# Altium PCB Receiver Module.PcbDoc (part 1 of 2)
Units mil, origin at the board's own origin, x right, y up, seen from the top; angles counter-clockwise.
Board outline 5921.26 x 3921.26 mil, 2 copper layers (Top Layer, Bottom Layer), stack 50 mil thick; 69 components, 74 nets, 418 pads, 116 vias.
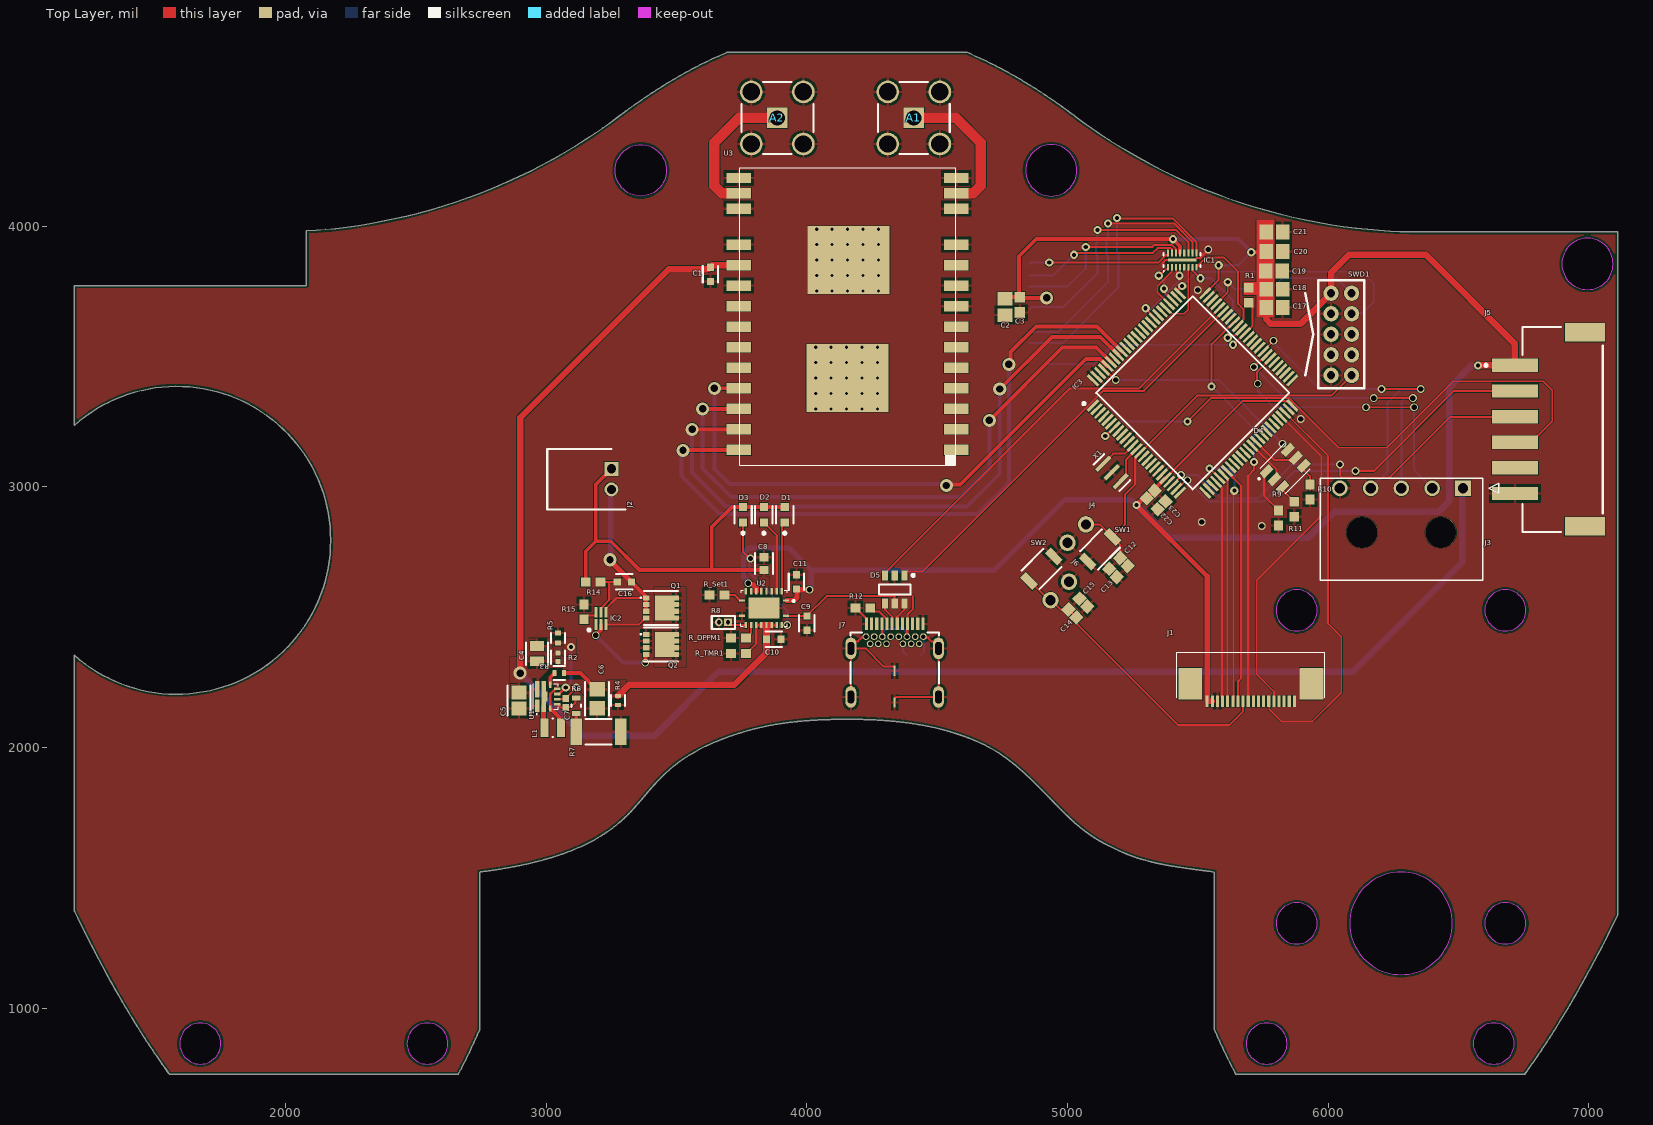
[diagram p0: Top Layer view]
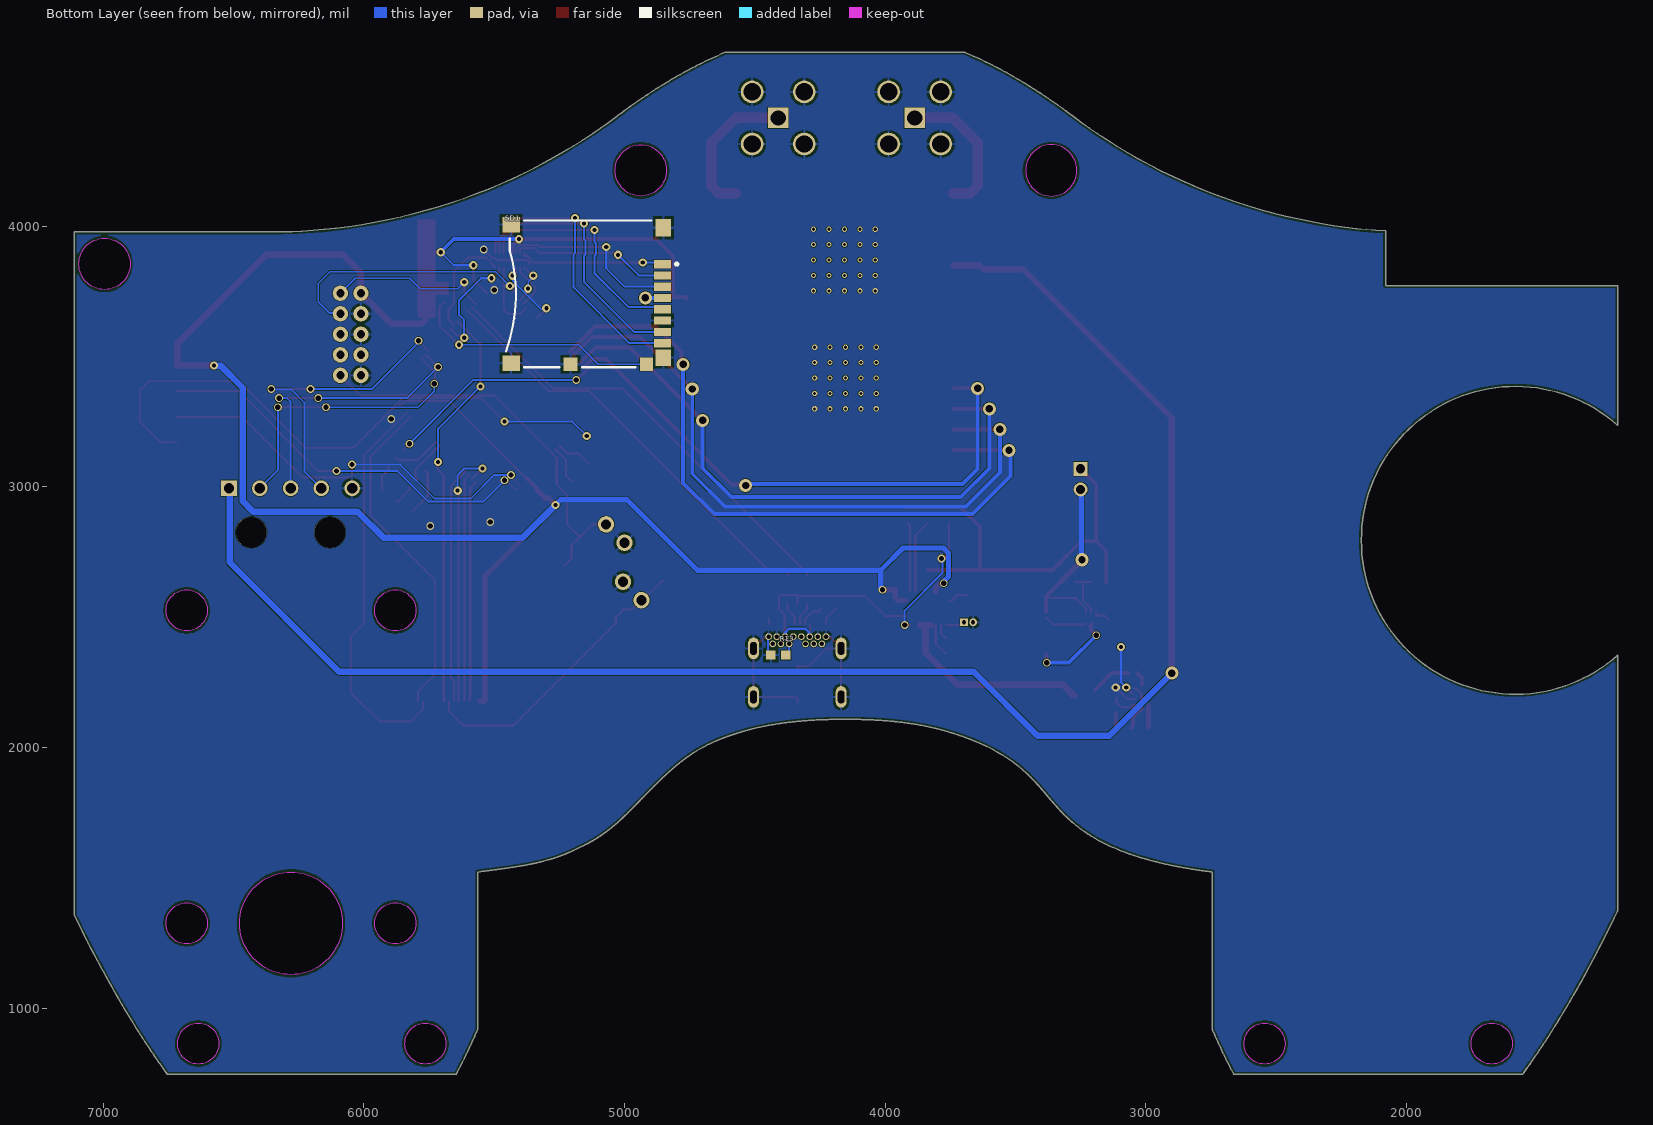
[diagram p1: Bottom Layer view, seen from below]
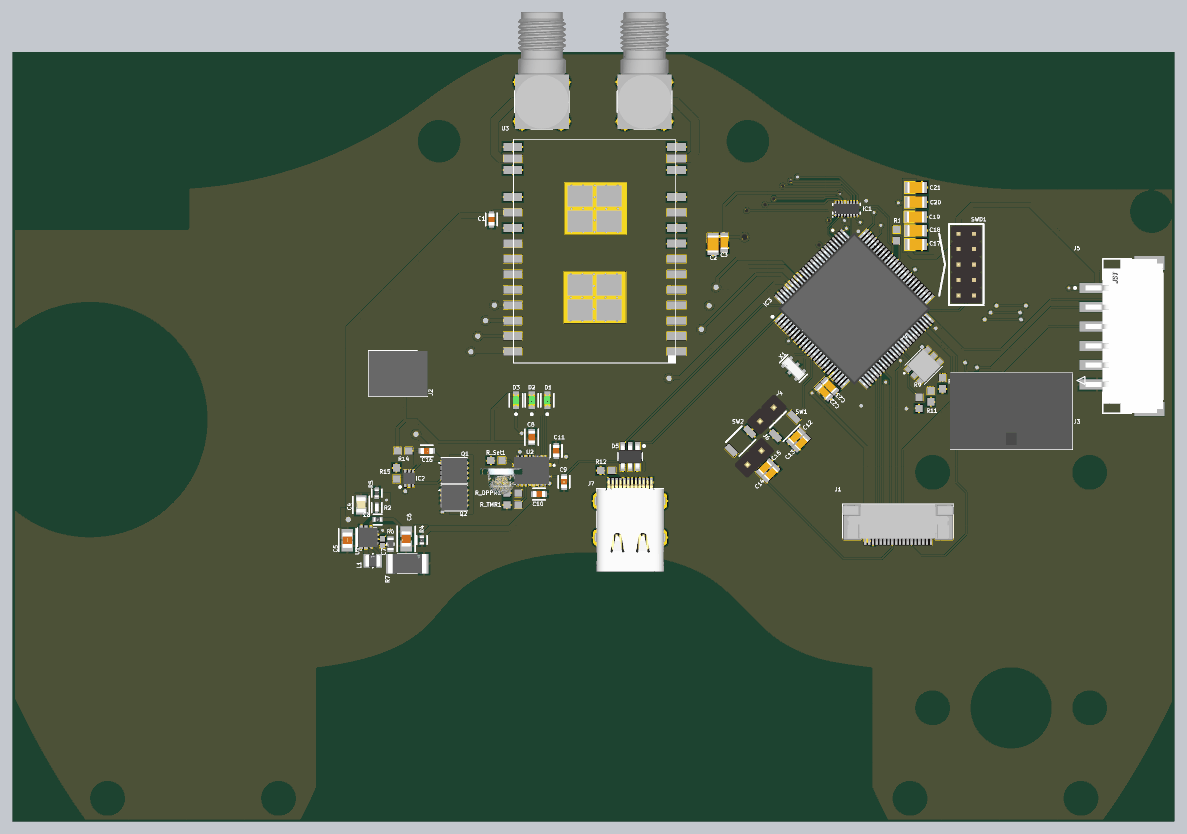
[diagram p3: 3D render of the assembled board from above, using the file's embedded part models]

## Layer stack, top to bottom
Top Solder: solder mask 1, SM-002, Dk 4
Top Layer: signal copper 1.378
Rogers 4450B: dielectric 47.2441, FR-4, Dk 3.54
Bottom Layer: signal copper 1.378
Bottom Solder: solder mask 1, SM-002, Dk 4

## Board outline
1587 vertices, not listed, extent 1189.5,745.5 7110.76,4666.76
cut-out: 6082.76,1325 ccw(c6279.61,1325) 6279.61,1128.15 ccw(c6279.61,1325) 6476.46,1325 ccw(c6279.61,1325) 6279.61,1521.85 ccw(c6279.61,1325)
cut-out: 6601.26,1325 ccw(c6680,1325) 6680,1246.26 ccw(c6680,1325) 6758.74,1325 ccw(c6680,1325) 6680,1403.74 ccw(c6680,1325)
cut-out: 6601.26,2525.79 ccw(c6680,2525.79) 6680,2447.05 ccw(c6680,2525.79) 6758.74,2525.79 ccw(c6680,2525.79) 6680,2604.53 ccw(c6680,2525.79)
cut-out: 5800.47,1325 ccw(c5879.21,1325) 5879.21,1246.26 ccw(c5879.21,1325) 5957.95,1325 ccw(c5879.21,1325) 5879.21,1403.74 ccw(c5879.21,1325)
cut-out: 5800.47,2525.79 ccw(c5879.21,2525.79) 5879.21,2447.05 ccw(c5879.21,2525.79) 5957.95,2525.79 ccw(c5879.21,2525.79) 5879.21,2604.53 ccw(c5879.21,2525.79)
cut-out: 5685.19,863.61 ccw(c5763.93,863.61) 5763.93,784.87 ccw(c5763.93,863.61) 5842.67,863.61 ccw(c5763.93,863.61) 5763.93,942.35 ccw(c5763.93,863.61)
cut-out: 6556.65,863.61 ccw(c6635.39,863.61) 6635.39,784.87 ccw(c6635.39,863.61) 6714.13,863.61 ccw(c6635.39,863.61) 6635.39,942.35 ccw(c6635.39,863.61)
cut-out: 6896.57,3855 ccw(c6995,3855) 6995,3756.57 ccw(c6995,3855) 7093.43,3855 ccw(c6995,3855) 6995,3953.43 ccw(c6995,3855)
cut-out: 4839.11,4214 ccw(c4937.53,4214) 4937.53,4115.58 ccw(c4937.53,4214) 5035.96,4214 ccw(c4937.53,4214) 4937.53,4312.43 ccw(c4937.53,4214)
cut-out: 3362.73,4115.58 cw(c3362.73,4214) 3264.31,4214 cw(c3362.73,4214) 3362.73,4312.43 cw(c3362.73,4214) 3461.16,4214 cw(c3362.73,4214)
cut-out: 2465.47,863.61 ccw(c2544.21,863.61) 2544.21,784.87 ccw(c2544.21,863.61) 2622.95,863.61 ccw(c2544.21,863.61) 2544.21,942.35 ccw(c2544.21,863.61)
cut-out: 1594.01,863.61 ccw(c1672.75,863.61) 1672.75,784.87 ccw(c1672.75,863.61) 1751.49,863.61 ccw(c1672.75,863.61) 1672.75,942.35 ccw(c1672.75,863.61)

## Design rules (kind name [scope] priority, off if disabled: settings)
BoardOutlineClearance [All] p1: gap=9.84 ignorepadtopadclearanceinfootprint=FALSE
Clearance Clearance_4 [All] p1: gap=2 ignorepadtopadclearanceinfootprint=TRUE
Clearance Clearance_3 [InNet('NetC9_1')] p2 off: gap=15.75 ignorepadtopadclearanceinfootprint=TRUE
Clearance Clearance_2 [InNet('VIN')] p3 off: gap=31.5 ignorepadtopadclearanceinfootprint=TRUE
Clearance Clearance_1 [All] p4 off: gap=10 ignorepadtopadclearanceinfootprint=TRUE
ComponentClearance [All] p1 off: gap=10 collisioncheckmode=3 verticalgap=10 showdistances=FALSE
DiffPairsRouting DiffPairsRouting_1 [All] p1: maxlimit=10 minlimit=3.5 mostfreqgap=7.87 toplayer_minwidth=3.5 toplayer_maxwidth=15 toplayer_prefwidth=5.91 bottomlayer_minwidth=3.5 bottomlayer_maxwidth=15 bottomlayer_prefwidth=5.91 maxuncoupledlength=500
DiffPairsRouting AntennaDiff [InDifferentialPair('ANT')] p2: maxlimit=10 minlimit=3.5 mostfreqgap=7.87 toplayer_minwidth=3.5 toplayer_maxwidth=15 toplayer_prefwidth=5.91 bottomlayer_minwidth=3.5 bottomlayer_maxwidth=15 bottomlayer_prefwidth=5.91 maxuncoupledlength=1
HoleSize [All] p1: absolutevalues=TRUE maxlimit=236.22 minlimit=1 maxpercent=80.000 minpercent=20.000
MatchedLengths usb [All] p1 off: tolerance=39.37 checknetsindiffpair=FALSE checkdiffpairvsdiffpair=TRUE checkxsignals=TRUE checkothers=TRUE
MinimumSolderMaskSliver [All] p1 off: minsoldermaskwidth=10
PlaneClearance [All] p1: clearance=10
PolygonConnect VIN [InNet('VIN')] p1: connectstyle=Direct reliefconductorwidth=10 reliefentries=4 polygonreliefangle="90 Angle" airgapwidth=10
PolygonConnect Connectors [HasFootprint('B06B-JWPF-SK-R')] p2: connectstyle=Direct reliefconductorwidth=10 reliefentries=4 polygonreliefangle="90 Angle" airgapwidth=10
PolygonConnect Connectors_1 [HasFootprint('B08B-JWPF-SK-R')] p3: connectstyle=Direct reliefconductorwidth=10 reliefentries=4 polygonreliefangle="90 Angle" airgapwidth=10
PolygonConnect Default [All] p4 off: connectstyle=Relief reliefconductorwidth=10 reliefentries=4 polygonreliefangle="90 Angle" airgapwidth=10
PolygonConnect vbus [InNet('NetQ1_1')] p5: connectstyle=Direct reliefconductorwidth=10 reliefentries=4 polygonreliefangle="90 Angle" airgapwidth=10
PolygonConnect vbus_1 [InNet('NetC9_1')] p6: connectstyle=Direct reliefconductorwidth=10 reliefentries=4 polygonreliefangle="90 Angle" airgapwidth=10
PolygonConnect VIAS [IsVia] p7: connectstyle=Direct reliefconductorwidth=0 reliefentries=4 polygonreliefangle="90 Angle" airgapwidth=0
PolygonConnect PolygonConnect_1 [All] p8: connectstyle=Relief reliefconductorwidth=10 reliefentries=4 polygonreliefangle="90 Angle" airgapwidth=10
RoutingVias [All] p1: holewidth=11.81 width=19.68 viastyle="Through Hole" minholewidth=9.84 minwidth=17.72 maxholewidth=248.03 maxwidth=50
SilkToSilkClearance [All] p1 off: silktosilkclearance=10
SilkToSolderMaskClearance [IsPad] p1 off: minsilkscreentomaskgap=10 clearancetoexposedcopper=TRUE
SolderMaskExpansion SolderMaskExpansion_1 [IsVia] p1: expansion=4 istentingtop=TRUE
SolderMaskExpansion [All] p2: expansion=4 istentingtop=FALSE
SupplyNets "Schematic Supply Nets_5" [InNet('USB')] p1: voltage=0.000
SupplyNets "Schematic Supply Nets_4" [InNet('GND')] p2: voltage=0.000
SupplyNets "Schematic Supply Nets_3" [InNet('BAT+')] p3: voltage=0.000
SupplyNets "Schematic Supply Nets_2" [InNet('+5')] p4: voltage=0.000
SupplyNets "Schematic Supply Nets_1" [InNet('+3V3')] p5: voltage=0.000
SupplyNets "Schematic Supply Nets" [InNet('BAT_RAW-')] p6: voltage=0.000
Width "Antenna Impedance" [InNetClass('Antenna')] p1: maxlimit=100.66 minlimit=100.66 preferedwidth=100.66 impedanceprofiledriven=TRUE impedanceprofileid={FB46F28A-EACA-4773-9FBC-94DF7B2862EA} impedanceprofilevalue=50.000000 minimp=50.000000 maximp=50.000000 favimp=50.000000
Width Width_1 [All] p2: maxlimit=250 minlimit=4 preferedwidth=10 minimp=50.000000 maximp=50.000000 favimp=50.000000
23 further rules are at their usual default settings.

## Classes and differential pairs
net class LED[1..3]: LED1 LED2 LED3
component class "SD Card": C2 C3 IC1 R1 SD1
component class "RF Transceiver": A1 A2 C1 U3
component class Protection: C16 IC2 Q1 Q2 R14 R15
component class MCU: C17 C18 C19 C20 C21 C22 C23 C26 C27 C28 C29 IC3 X1
component class I/O: C12 C13 C14 C15 D4 D5 J1 J2 J3 J4 J5 J6 J7 R9 R10 R11 R12 R13 SW1 SW2 SWD1
component class "Voltage Regulation": C4 C5 C6 C7 L1 R2 R3 R4 R5 R6 R7 U1
component class "Charging/Load Sharing": C8 C9 C10 C11 D1 D2 D3 R8 R_DPPM1 R_Set1 R_TMR1 U2
differential pair ANT: +ANT_P -ANT_N
differential pair D2: +D2_P -D2_N
differential pair D1: +D1_P -D1_N

## Components (designator, comment, footprint, x,y, rotation, side; value= is the part's Value field where it differs from the comment)
A1 "901-143-6RFX" 903-143-6RFX 4410.42,4415.11 r0 top
A2 "901-143-6RFX" 903-143-6RFX 3886.8,4415.11 r0 top
C1 "C1608X5R1A106K080AC" FP-C1608-080-0_1-MFG 3630,3815 r90 top
C2 "C0805C106K8PACTU" CAPC2012X14N 4760,3690 r90 top value=10uF
C3 "C0603C103J5RACTU" CAPC1608X10N 4817.03,3697.97 r90 top value=10nF
C4 "C0805C100M4GACTU" FP-C0805C-DN-MFG 2965,2360 r90 top value="10 pF"
C5 "C2012X5R1A476M125AC" FP-C2012-125-0_2-IPC_B 2895,2179.92 r270 top
C6 "GRM21BR61E106MA73L" FP-GRM21B-0_15-IPC_A 3195,2186.47 r270 top
C7 "GRM155R61A103KA01D" CAPC1005X55X25NL05T10 3075,2170 r90 top
C8 "06033D105KAT2A" FP-0603-L_1_6_0_15-W_0_81-IPC_C 3834.96,2705 r90 top
C9 "C1608X5R1A106K080AC" FP-C1608-080-0_1-MFG 4000,2477.05 r90 top
C10 "C1608X5R1A106K080AC" FP-C1608-080-0_1-MFG 3872.64,2415 r180 top
C11 "C1608X5R1A106K080AC" FP-C1608-080-0_1-MFG 3960,2635 r270 top
C12 "C0603C104M5RACTU" CAPC1608X10N 5180.88,2705.88 r45 top value=100nF
C13 "C0603C104M5RACTU" CAPC1608X10N 5210,2675 r45 top value=100nF
C14 "C0603C104M5RACTU" CAPC1608X10N 5055,2520 r225 top value=100nF
C15 "C0603C104M5RACTU" CAPC1608X10N 5025,2550 r225 top value=100nF
C16 "C1608X5R1A106K080AC" FP-C1608-080-0_1-MFG 3300,2635 r180 top
C17 "C0805C106K8PACTU" CAPC2012X14N 5793.79,3687.93 r180 top value=10uF
C18 "C0805C106K8PACTU" CAPC2012X14N 5793.79,3757.93 r180 top value=10uF
C19 "C0805C106K8PACTU" CAPC2012X14N 5792.29,3827.93 r180 top value=10uF
C20 "C0805C106K8PACTU" CAPC2012X14N 5793.79,3902.93 r180 top value=10uF
C21 "C0805C106K8PACTU" CAPC2012X14N 5793.79,3977.93 r180 top value=10uF
C22 "C0603C105K8PACTU" CAPC1608X10N 5325,2935 r135 top value=1uF
C23 "C0603C103J5RACTU" CAPC1608X10N 5355,2965 r135 top value=10nF
D1 "LTST-C190GKT" FP-LTST-C190GKT-MFG 3915,2892.7 r90 top
D2 "LTST-C190GKT" FP-LTST-C190GKT-MFG 3835,2892.7 r90 top
D3 "LTST-C190GKT" FP-LTST-C190GKT-MFG 3755,2892.7 r90 top
D4 "LRTBGVSR-U4V2-JW+A6BB-D8+S2U2-7Z-20-S" LRTBGVSG-UEVE-24+AMAQ-29+SCUC-HR-Footprint-1 5835,3070 r45 top
D5 "USBLC6-2SC6" USBLC6-2SC6 4336.94,2605 r90 top
IC1 "CM1624-08DE" SON40P140X55_HS-17N 5440,3870 r90 top
IC2 "BQ29732DSER" SON50P150X150X80-6N 3210,2495 r90 top
IC3 "STM32L552VET6" QFP50P1600X1600X160-100N 5480,3360 r45 top
J1 "1-1734839-8" 117348398 5703.27,2260 r180 top
J2 "S2B-PH-K-S__LF__SN_" SHDRRA2W50P0X200_1X2_590X760X480P 3250,3068.74 r90 top
J3 "215760-2005" 215760-YY05 6517.4,2994.29 r0 top
J4 "22-28-4020" 22-28-4020 5070.71,2855.71 r225 top
J5 "S6B-XH-SM4-TB(LF)(SN)" FP-S6B-XH-SM4-TB_LF_SN-MFG 6900,3220 r90 top
J6 "22-28-4020" 22-28-4020 4935,2565 r45 top
J7 "SS-52400-003" SS52400005 4336.79,2154.24 r0 top
L1 "1286AS-H-1R0M=P2" FP-DFE201612C-MFG 3025,2075 r180 top
Q1 "CSD16406Q3" DQG_VSON-CLIP 3439.65,2535 r270 top
Q2 "CSD16406Q3" DQG_VSON-CLIP 3439.65,2395 r270 top
R1 "CRCW060310K0FKEA" 0603 5695,3735 r270 top value=10k
R2 "CRCW0402619KFKED" FP-CRCW0402-e3-IPC_C 3045,2345.83 r90 top
R3 "CRCW04021M00FKEDC" FP-CRCW0402-C-e3-MFG 3050,2285 r180 top
R4 "CRCW04021M00FKEDC" FP-CRCW0402-C-e3-MFG 3275,2180 r270 top
R5 "AC0402FR-07205KL" FP-AC0402-MFG 3045,2419.68 r90 top
R6 "ESR03EZPJ244" FP-ESR03-MFG 3115,2160 r90 top
R7 "CRCW20108K20JNEF" FP-CRCW2010-e3-IPC_C 3200.67,2060 r0 top
R8 "NTCALUG39A103GA" NTCALUG03A103GA 3680,2480 r180 top value=10k
R9 "CRCW06031K00FKEA" 0603 5810,2880 r270 top value=5.1k
R10 "CRCW06031K00FKEA" 0603 5930,2980 r270 top value=5.1k
R11 "CRCW06031K00FKEA" 0603 5870,2913.54 r270 top value=5.1k
R12 "CRCW06035K10FKEA" 0603 4215,2535 r0 top value=5.1k
R13 "CRCW06035K10FKEA" 0603 4410,2355 r180 bottom value=5.1k
R14 "CRCW06032K10FKEAC" 0603 3180,2635 r0 top value=330
R15 "CRCW06032K10FKEAC" 0603 3145,2520 r90 top value=2.2k
R_DPPM1 "RQ73C1J36K5BTD" 0603 3737.8,2420 r0 top value=36.5k
R_Set1 "CRCW06032K10FKEAC" 0603 3655,2585 r180 top value=2.1K
R_TMR1 "ERA-3AED512V" 0603 3737.8,2360 r0 top value=5.1k
SD1 "5027740891" 5027740891-Footprint-1 5145,3740 r270 bottom
SW1 "B3U-1000P" B3U-1000P 5125,2760 r45 top
SW2 "B3U-1000P" B3U-1000P 4900,2685 r225 top
SWD1 "M22-2520505" M22-2520505 6090,3742.48 r180 top
U1 "TPS61236PRWLR" TPS61235PRWLT 2966.38,2159.57 r90 top
U2 "BQ24030RHLR" BQ51050BRHLR 3850,2534.13 r270 top
U3 "RFD900ux" RFD900UX 4632.44,4244.02 r180 top
X1 "CSTNE16M0V530000R0_1" FP-CSTNE16M0V530000R0-MFG 5170,3055 r315 top

## Footprints (in the part's own frame and the unit in brackets; to place one, negate y for a bottom-side part, rotate by r counter-clockwise, add the part's x,y. Pads: shape width x height; smd on the part's side, far side on the other; paste and mask are expansions set on the pad)
22-28-4020 [mm]
  round 1.6 hole 1: 1(0,0) 2(2.54,0)
  body extent -1.27,-1.27 3.81,1.23, height 8.38
0603 [mm] "Generic 0603 Footprint"
  rect 0.95x0.9 smd: 1(-0.725,0) 2(0.725,0)
  body extent -0.85,-0.45 0.85,0.45, height 0.6
903-143-6RFX [mm]
  rect 2x2 hole 1.5: 1(0,0)
  round 2.2 hole 1.7: 2(-2.54,2.54) 3(-2.54,-2.54) 4(2.54,-2.54) 5(2.54,2.54)
  silkscreen extent -3.5,-3.5 3.5,3.5, body extent -3.5,-3.5 3.5,11.6, height 10.5
215760-YY05 [mm]
  rect 1.52x1.52 hole 1.02: 1(0,0)
  round 1.52 hole 1.02: 2(-3,0) 3(-6,0) 4(-9,0) 5(-12,0)
  round 3 hole 3 unplated: 6(-2.16,-4.3) 7(-9.84,-4.3)
  silkscreen extent -13.92,-8.96 3.5,0.96, body extent -13.95,-8.92 1.91,0.98, height 5.33
117348398 [mm]
  rect 0.3x1.1 smd: 1(-4.25,2.1) 2(-3.75,2.1) 3(-3.25,2.1) 4(-2.75,2.1) 5(-2.25,2.1) 6(-1.75,2.1) 7(-1.25,2.1) 8(-0.75,2.1) 9(-0.25,2.1) 10(0.25,2.1) 11(0.75,2.1) 12(1.25,2.1) 13(1.75,2.1) 14(2.25,2.1) 15(2.75,2.1) 16(3.25,2.1) 17(3.75,2.1) 18(4.25,2.1)
  rect 2.3x3.1 smd: 19(-5.92,0.4) 20(5.92,0.4)
  silkscreen extent -7.21,-2.65 7.21,1.75, body extent -7.21,-2.56 7.21,2.55, height 2.05
5027740891-Footprint-1 [mm]
  rect 0.8x1.68 smd: 1(-2.9,7.385) 2(-1.8,7.385) 3(-0.7,7.385) 4(0.4,7.385) 5(1.5,7.385) 6(2.6,7.385) 7(3.7,7.385) 8(4.8,7.385)
  rect 1.29x1.3 smd: 9(6.855,5.825)
  rect 1.29x1.4 smd: 10(6.855,-1.575)
  rect 1.5x1.7 smd: 11(6.75,-7.375) 12(-6.75,-7.375)
  rect 1.7x1.5 smd: 13(-6.45,7.475)
  rect 1.6x1.5 smd: 14(6.21,7.475)
  silkscreen extent -7.15,-7.88 7.15,8.9, body extent -7.15,-8 7.15,8, height 1.78
B3U-1000P [mm]
  rect 0.8x1.7 smd: 1(-1.7,0) 2(1.7,0)
  silkscreen extent -1.5,-1.25 1.5,1.25, body extent -1.5,-1.25 1.5,1.25, height 1.75
BQ51050BRHLR [mm]
  rect 0.24x0.6 smd: 1(-0.75,1.775) 10(-0.75,-2.525) 11(0.75,-2.525) 20(0.75,1.775)
  rect 0.6x0.24 smd: 2(-1.65,1.375) 3(-1.65,0.875) 4(-1.65,0.375) 5(-1.65,-0.125) 6(-1.65,-0.625) 7(-1.65,-1.125) 8(-1.65,-1.625) 9(-1.65,-2.125) 12(1.65,-2.125) 13(1.65,-1.625) 14(1.65,-1.125) 15(1.65,-0.625) 16(1.65,-0.125) 17(1.65,0.375) 18(1.65,0.875) 19(1.65,1.375)
  rect 2.05x3.05 smd: 21(0,-0.375)
  silkscreen extent -1.75,-2.63 1.75,2.62, body extent -1.75,-2.64 1.75,1.86, height 1
CAPC1005X55X25NL05T10 [mm] "Chip Capacitor, 2-Leads, Body 1.00x0.50mm, IPC Medium Density"
  rect 0.66x0.62 smd: 1(-0.44,0) 2(0.44,0)
  body extent -0.53,-0.28 0.53,0.27, height 0.55
CAPC1608X10N [mm]
  rect 1.05x1 smd: 1(-0.75,0) 2(0.75,0)
  body extent -0.87,-0.48 0.88,0.48, height 0.95
CAPC2012X14N [mm]
  rect 1.3x1.45 smd: 1(-0.8,0) 2(0.8,0)
  body extent -1.1,-0.73 1.1,0.73, height 1.45
DQG_VSON-CLIP [mm]
  rect 0.5x0.63 smd: 1(-0.975,-1.435) 2(-0.325,-1.435) 3(0.325,-1.435) 4(0.975,-1.435)
  rect 0.5x0.41 smd: 5(0.975,1.545) 6(0.325,1.545) 7(-0.325,1.545) 8(-0.975,1.545)
  rect 2.45x1.9 smd: 9(0,0.39)
  silkscreen extent -1.65,-1.97 1.65,1.65, body extent -1.65,-1.65 1.65,1.65, height 1.1
FP-0603-L_1_6_0_15-W_0_81-IPC_C [mil]
  rect 31.75x34.18 smd paste+0 mask+0: 1(-24.64,0) 2(24.64,0)
  silkscreen extent -41,-35 41,35, body extent -44,-23 44,23, height 10
FP-AC0402-MFG [mm]
  rect 0.5x0.6 smd paste+0 mask+0: 1(-0.5,0) 2(0.5,0)
  silkscreen extent -0.5,-0.67 0.5,0.67, body extent -0.85,-0.4 0.85,0.4, height 0.25
FP-C0805C-DN-MFG [mm]
  rect 0.95x1.35 smd paste+0 mask+0: 1(-0.75,0) 2(0.75,0)
  silkscreen extent -1.1,-1.08 1.1,1.07, body extent -1.4,-0.85 1.4,0.85, height 0.25
FP-C1608-080-0_1-MFG [mm]
  rect 0.7x0.7 smd paste+0 mask+0: 1(-0.7,0) 2(0.7,0)
  silkscreen extent -0.8,-0.75 0.8,0.75, body extent -1.15,-0.55 1.15,0.55, height 0.25
FP-C2012-125-0_2-IPC_B [mil]
  rect 54.25x57.33 smd paste+0 mask+0: 1(-30.08,0) 2(30.08,0)
  silkscreen extent -57,-44 57,44, body extent -67,-39 67,39, height 10
FP-CRCW0402-C-e3-MFG [mm]
  rect 0.4x0.6 smd paste+0 mask+0: 1(-0.45,0) 2(0.45,0)
  silkscreen extent -0.55,-0.67 0.55,0.67, body extent -0.75,-0.4 0.75,0.4, height 0.25
FP-CRCW0402-e3-IPC_C [mil]
  rect 18.43x18.6 smd paste+0 mask+0: 1(-15.83,0) 2(15.83,0)
  silkscreen extent -25,-27 25,27, body extent -29,-15 29,15, height 10
FP-CRCW2010-e3-IPC_C [mil]
  rect 43.55x100.72 smd paste+0 mask+0: 1(-85.67,0) 2(85.67,0)
  silkscreen extent -49,-49 49,49, body extent -111,-56 111,56, height 10
FP-CSTNE16M0V530000R0-MFG [mm]
  rect 0.4x1.9 smd paste+0 mask+0: 1(1.2,0) 2(0,0) 3(-1.2,0)
  silkscreen extent -1.8,-0.73 1.8,0.73, body extent -1.78,-1.05 1.77,1.05, height 0.25
FP-DFE201612C-MFG [mm]
  rect 0.8x1.8 smd paste+0 mask+0: 1(-0.8,0) 2(0.8,0)
  silkscreen extent -0.03,-0.9 0.03,0.9, body extent -1.3,-1 1.3,1, height 0.25
FP-ESR03-MFG [mm]
  rect 0.5x0.8 smd paste+0 mask+0: 1(-0.75,0) 2(0.75,0)
  silkscreen extent -0.13,-0.45 0.13,0.45, body extent -1.1,-0.55 1.1,0.55, height 0.25
FP-GRM21B-0_15-IPC_A [mil]
  rect 55.34x59.38 smd paste+0 mask+0: 1(-36.47,0) 2(36.47,0)
  silkscreen extent -64,-45 64,45, body extent -84,-49 84,49, height 10
FP-LTST-C190GKT-MFG [mm]
  rect 0.8x0.8 smd paste+0 mask+0: 1(-0.75,0) 2(0.75,0)
  silkscreen extent -1.92,-0.85 0.85,0.85, body extent -1.25,-0.55 1.25,0.55, height 0.25
FP-S6B-XH-SM4-TB_LF_SN-MFG [mm]
  rect 1.3x4.5 smd paste+0 mask+0: 1(6.25,4.65) 2(3.75,4.65) 3(1.25,4.65) 4(-1.25,4.65) 5(-3.75,4.65) 6(-6.25,4.65)
  rect 1.8x3.9 smd paste+0 mask+0: 7(-9.45,-2.15) 8(9.45,-2.15)
  silkscreen extent -10,-3.9 10,7.6, body extent -10.45,-4.2 10.45,7, height 0.25
LRTBGVSG-UEVE-24+AMAQ-29+SCUC-HR-Footprint-1 [mm]
  rect 1.3x0.7 smd: 1(-1.475,1.1) 2(-1.475,0) 3(-1.475,-1.1) 4(1.475,-1.1) 5(1.475,0) 6(1.475,1.1)
  silkscreen extent -2.6,-1.75 1.7,1.75, body extent -1.7,-1.65 1.7,1.65, height 1.8
M22-2520505 [mm]
  round 1.5 hole 0.8: 1(2,0) 2(0,0) 3(2,2) 4(0,2) 5(2,4) 6(0,4) 7(2,6) 8(0,6) 9(2,8) 10(0,8)
  silkscreen extent -1.25,-1.25 4.5,9.25, body extent -1,-1 3,9, height 5
NTCALUG03A103GA [mm]
  rect 0.75x0.75 hole 0.402: 1(-0.45,0)
  round 0.75 hole 0.402: 2(0.45,0)
  silkscreen extent -1.14,-0.64 1.14,0.64, body extent -2.75,-1.65 2.75,1.74, height 79.21
QFP50P1600X1600X160-100N [mm]
  rect 1.475x0.3 smd: 1(-7.738,6) 2(-7.738,5.5) 3(-7.738,5) 4(-7.738,4.5) 5(-7.738,4) 6(-7.738,3.5) 7(-7.738,3) 8(-7.738,2.5) 9(-7.738,2) 10(-7.738,1.5) 11(-7.738,1) 12(-7.738,0.5) 13(-7.738,0) 14(-7.738,-0.5) 15(-7.738,-1) 16(-7.738,-1.5) 17(-7.738,-2) 18(-7.738,-2.5) 19(-7.738,-3) 20(-7.738,-3.5) 21(-7.738,-4) 22(-7.738,-4.5) 23(-7.738,-5) 24(-7.738,-5.5) 25(-7.738,-6) 51(7.738,-6) 52(7.738,-5.5) 53(7.738,-5) 54(7.738,-4.5) 55(7.738,-4) 56(7.738,-3.5) 57(7.738,-3) 58(7.738,-2.5) 59(7.738,-2) 60(7.738,-1.5) 61(7.738,-1) 62(7.738,-0.5) 63(7.738,0) 64(7.738,0.5) 65(7.738,1) 66(7.738,1.5) 67(7.738,2) 68(7.738,2.5) 69(7.738,3) 70(7.738,3.5) 71(7.738,4) 72(7.738,4.5) 73(7.738,5) 74(7.738,5.5) 75(7.738,6)
  rect 0.3x1.475 smd: 26(-6,-7.738) 27(-5.5,-7.738) 28(-5,-7.738) 29(-4.5,-7.738) 30(-4,-7.738) 31(-3.5,-7.738) 32(-3,-7.738) 33(-2.5,-7.738) 34(-2,-7.738) 35(-1.5,-7.738) 36(-1,-7.738) 37(-0.5,-7.738) 38(0,-7.738) 39(0.5,-7.738) 40(1,-7.738) 41(1.5,-7.738) 42(2,-7.738) 43(2.5,-7.738) 44(3,-7.738) 45(3.5,-7.738) 46(4,-7.738) 47(4.5,-7.738) 48(5,-7.738) 49(5.5,-7.738) 50(6,-7.738) 76(6,7.738) 77(5.5,7.738) 78(5,7.738) 79(4.5,7.738) 80(4,7.738) 81(3.5,7.738) 82(3,7.738) 83(2.5,7.738) 84(2,7.738) 85(1.5,7.738) 86(1,7.738) 87(0.5,7.738) 88(0,7.738) 89(-0.5,7.738) 90(-1,7.738) 91(-1.5,7.738) 92(-2,7.738) 93(-2.5,7.738) 94(-3,7.738) 95(-3.5,7.738) 96(-4,7.738) 97(-4.5,7.738) 98(-5,7.738) 99(-5.5,7.738) 100(-6,7.738)
  silkscreen extent -8.35,-6.65 6.65,6.87, body extent -8,-8 8,8, height 1.6
RFD900UX [mm]
  rect 2.4x1 smd: 1(1.5,28) 2(1.5,26) 3(1.5,24) 4(1.5,22) 5(1.5,20) 6(1.5,18) 7(1.5,16) 8(1.5,14) 9(1.5,12) 10(1.5,10) 11(1.5,8) 12(1.5,4.5) 13(1.5,3) 14(1.5,1.5) 15(22.7,1.5) 16(22.7,3) 17(22.7,4.5) 18(22.7,8) 19(22.7,10) 20(22.7,12) 21(22.7,14) 22(22.7,16) 23(22.7,18) 24(22.7,20) 25(22.7,22) 26(22.7,24) 27(22.7,26) 28(22.7,28)
  rect 8x6.6 smd paste-8: 29(12,9.5) 29(12.1,21)
  silkscreen extent 1.6,0.5 22.6,29.5
SHDRRA2W50P0X200_1X2_590X760X480P [mm]
  rect 1.35x1.35 hole 0.9: 1(0,0)
  round 1.35 hole 0.9: 2(-2,0)
  silkscreen extent -3.95,-1.35 1.95,6.25, body extent -3.95,-1.35 1.95,6.25, height 4.8
SON40P140X55_HS-17N [mm]
  rect 0.65x0.2 smd: 1(-0.69,1.4) 2(-0.69,1) 3(-0.69,0.6) 4(-0.69,0.2) 5(-0.69,-0.2) 6(-0.69,-0.6) 7(-0.69,-1) 8(-0.69,-1.4) 9(0.69,-1.4) 10(0.69,-1) 11(0.69,-0.6) 12(0.69,-0.2) 13(0.69,0.2) 14(0.69,0.6) 15(0.69,1) 16(0.69,1.4)
  rect 0.33x2.8 smd: 17(0,0)
  silkscreen extent -1.12,-1.8 0.68,1.85, body extent -0.73,-1.65 0.72,1.65, height 0.55
SON50P150X150X80-6N [mm]
  rect 1.05x0.3 smd: 1(-0.6,0.5) 2(-0.6,0) 3(-0.6,-0.5) 4(0.6,-0.5) 5(0.6,0) 6(0.6,0.5)
  silkscreen extent -1.25,1.02 -1,1.27, body extent -0.75,-0.75 0.75,0.75, height 0.8
SS52400005 [mm]
  oval 1.05x2.1 hole 0.65 slot 1.25 at 90 deg: 0(-4.266,0.998) 0(-4.266,5.728) 0(4.274,0.998) 0(4.274,5.728)
  round 0.65 hole 0.45: 0(-1.996,6.878) 0(2.004,6.878) 1B(2.804,6.878) 2B(2.404,6.168) 3B(1.604,6.168) 4B(1.204,6.878) 5B(0.804,6.168) 6B(0.404,6.878) 7B(-0.396,6.878) 8B(-0.796,6.168) 9B(-1.196,6.878) 10B(-1.596,6.168) 11B(-2.396,6.168) 12B(-2.796,6.878)
  rect 0.2x1 smd: 0(0.004,0.448) 0(0.004,3.548)
  rect 0.3x1.2 smd: 1A(-2.746,8.128) 2A(-2.246,8.128) 3A(-1.746,8.128) 4A(-1.246,8.128) 5A(-0.746,8.128) 6A(-0.246,8.128) 7A(0.254,8.128) 8A(0.754,8.128) 9A(1.254,8.128) 10A(1.754,8.128) 11A(2.254,8.128) 12A(2.754,8.128)
  silkscreen extent -4.3,2.3 4.3,7.3, body extent -4.37,-3.4 4.37,8.43, height 3.03
TPS61235PRWLT [mm]
  rect 1.24x0.44 smd: 1(0,0)
  rect 3.04x0.44 smd: 2(0.9,-0.6)
  rect 0.6x0.25 smd: 3(-0.25,-1.245) 8(2.05,-1.245)
  rect 0.25x0.6 smd: 4(0.15,-1.92) 5(0.65,-1.92) 6(1.15,-1.92) 7(1.65,-1.92)
  rect 1.59x0.44 smd: 9(1.625,0)
  rect 0.975x0.15 smd: 10(0.9,-0.895)
  silkscreen extent -0.85,-2.02 2.15,0.48, body extent -0.37,-2.12 2.13,0.38, height 1
USBLC6-2SC6 [mm]
  rect 1x0.6 smd: 1(1.397,-0.95) 2(1.397,0) 3(1.397,0.95) 4(-1.353,0.95) 5(-1.353,0) 6(-1.353,-0.95)
  silkscreen extent -0.48,-1.93 1.52,1.55, body extent -1.58,-1.53 1.62,1.53, height 1.45

## Part data
C1 C16: library part CMP-2000-04979-3, "Multilayer Ceramic Capacitors 10μF ±10% 10V X5R SMD 0603", Capacitance=0.1uF, Case Code (Imperial)=0603, Case Code (Metric)=1608, Dielectric=X5R, Dielectric Material=Ceramic, Max Operating Temperature=85°C, Min Operating Temperature=-55°C, Package Quantity=1, Tolerance=10%, Voltage=10V, Case/Package=0603, Construction=Flat, Depth=0.8mm, Height=0.8mm, Lead Free="Lead Free", Length=1.6mm, Mount="Surface Mount", Number of Pins=2, Packaging="Tape and Reel", Radiation Hardening=No, REACH SVHC="No SVHC", Resistor Type=Ceramic, RoHS Compliant=Yes, Series=C, Termination=SMD/SMT, Thickness=0.035inch, Voltage Rating=10V, Voltage Rating (DC)=10V, Weight=7.1E-05oz, Width=0.8mm
C2: "CAP CER 10UF 10V X5R 0805", Capacitance=10uF, Case Code (Imperial)=0805, Case Code (Metric)=2012, Dielectric=X5R, Dielectric Material=Ceramic, JLC_PN=C15850, Max Operating Temperature=85°C, Min Operating Temperature=-55°C, Package Quantity=1, Tolerance=10%, Voltage=10V, Case/Package=0805, Contact Plating=Tin,Matte, Depth=1.25mm, Dissipation Factor=10%, Height=1.25mm, Length=2mm, Mount="Surface Mount", Number of Pins=2, Packaging="Tape and Reel", Radiation Hardening=No, REACH SVHC="No SVHC", Termination=SMD/SMT, Thickness=0.055inch, Voltage Rating=10V, Voltage Rating (DC)=10V, Width=1.2mm
C3: "Cap Ceramic 0.01uF 50V X7R 5% SMD 0603 125C Paper T/R", Capacitance=10nF, Case/Package=0603, Dielectric=X7R, JLC_PN=C57112, Max Operating Temperature=125°C, Min Operating Temperature=-55°C, Tolerance=5%, Depth=0.8mm, Height=0.8mm, Length=1.6mm, Mount="Surface Mount", Packaging="Tape and Reel", Radiation Hardening=No
C4: library part CMP-1036-00838-4, "CAP CER 10PF 16V 20% NP0 0805", Capacitance="10 pF", Manufacturer=KEMET, Package=C0805C-DN, Temperature="-55°C to +125°C", Temperature Characteristic=C0G, Temperature Coefficient=30ppm/°C, Temperature Range High=+125°C, Temperature Range Low=-55°C, Tolerance=0.2, Voltage Rating="16 V", Automotive=No, Category=Cap, ComponentLink2Description=Datasheet, ComponentLink2URL=https://content.kemet.com/datasheets/KEM_C1003_C0G_SMD.pdf, Device Class L1="Passive Components", Device Class L2=Capacitors, Device Class L3="Ceramic Capacitors", Digikey Description="CAP CER 10PF 16V 20% NP0 0805", Height=0.88mm, Ipc Land Pattern Name=CAPC200125X78, Lead Free=Yes, Manufacturer Part Number=C0805C100M4GACTU, Material=Ceramic, Mouser Description="Multilayer Ceramic Capacitors MLCC - SMD/SMT 16volts 10pF C0G 20%", Octopart=https://octopart.com/c0805c100m4gactu-kemet-16430157, RoHS=TRUE
C5: library part CMP-2000-05451-2, "Multilayer Ceramic Capacitors 47μF ±20% 10V X5R SMD 0805", Capacitance=47uF, Case Code (Imperial)=0805, Case Code (Metric)=2012, Dielectric=X5R, Dielectric Material=Ceramic, Max Operating Temperature=85°C, Min Operating Temperature=-55°C, Package Quantity=1, Tolerance=20%, Voltage=10V, Case/Package=0805, Depth=1.25mm, Height=1.25mm, Lead Free="Lead Free", Length=2mm, Mount="Surface Mount", Packaging="Tape and Reel", REACH SVHC="No SVHC", Resistor Type=Ceramic, RoHS Compliant=Yes, Series=C, Termination=SMD/SMT, Thickness=0.057inch, Voltage Rating=10V, Voltage Rating (DC)=10V, Weight=0.000194oz, Width=0.049inch
C6: library part CMP-06035-013048-1, "Chip Multilayer Ceramic Capacitors for General Purpose, 0805, 10uF, X5R, 15%, 20%, 25V", Capacitance=10uF, Case Code (Imperial)=0805, Case Code (Metric)=2012, Dielectric=X5R, Max Operating Temperature=85°C, Min Operating Temperature=-55°C, Package Quantity=3000, Resistor Type=Ceramic, Tolerance=20%, Voltage Rating=25V, Case/Package=0805, Depth=1.25mm, Height=1.25mm, Lead Free="Lead Free", Length=2mm, Mount="Surface Mount", Packaging="Tape and Reel", REACH SVHC="No SVHC", Termination=SMD/SMT, Thickness=0.055inch, Voltage Rating (DC)=25V, Weight=0.000335oz, Width=0.049inch
C7: library part CMP-2008-03935-1, Capacitance=10nF, Manufacturer=Murata, Part Number=GRM155R61A103KA01D
C8: library part CMP-2006-04193-2, "General Purpose Ceramic Capacitor, 0603, 1uF, 10%, X5R, 15%, 25V", Capacitance=1uF, Case Code (Imperial)=0603, Case Code (Metric)=1608, Dielectric=X5R, Dielectric Material=Ceramic, Insulation Resistance=10GR, Max Operating Temperature=85°C, Min Operating Temperature=-55°C, Package Quantity=1, Tolerance=10%, Voltage=25V, Case/Package=0603, Construction=Flat, Contact Plating=Tin, Depth=0.81mm, Dissipation Factor=12.5%, Height=0.9mm, Lead Free="Lead Free", Length=1.6mm, Mount="Surface Mount", Number of Pins=2, Packaging="Tape and Reel", Radiation Hardening=No, REACH SVHC="No SVHC", RoHS Compliant=Yes, Series=-, Termination=SMD/SMT, Thickness=0.035inch, Voltage Rating=25V, Voltage Rating (DC)=25V, Width=0.032inch
C9 C10 C11: library part CMP-2000-04979-3, "Multilayer Ceramic Capacitors 10μF ±10% 10V X5R SMD 0603", Capacitance=10uF, Case Code (Imperial)=0603, Case Code (Metric)=1608, Dielectric=X5R, Dielectric Material=Ceramic, Max Operating Temperature=85°C, Min Operating Temperature=-55°C, Package Quantity=1, Tolerance=10%, Voltage=10V, Case/Package=0603, Construction=Flat, Depth=0.8mm, Height=0.8mm, Lead Free="Lead Free", Length=1.6mm, Mount="Surface Mount", Number of Pins=2, Packaging="Tape and Reel", Radiation Hardening=No, REACH SVHC="No SVHC", Resistor Type=Ceramic, RoHS Compliant=Yes, Series=C, Termination=SMD/SMT, Thickness=0.035inch, Voltage Rating=10V, Voltage Rating (DC)=10V, Weight=7.1E-05oz, Width=0.8mm
C12 C13 C14 C15: "Cap Ceramic 0.1uF 50V X7R 20% SMD 0603 125C T/R", Capacitance=100nF, Case Code (Imperial)=0603, Case Code (Metric)=1608, Dielectric=X7R, Dielectric Material=Ceramic, JLC_PN=C14663, Max Operating Temperature=125°C, Min Operating Temperature=-55°C, Package Quantity=1, Tolerance=20%, Voltage Rating=50V, Case/Package=0603, Contact Plating=Tin,Matte, Depth=0.8mm, Dissipation Factor=2.5%, Height=0.8mm, Lead Pitch=0.7mm, Length=1.6mm, Mount="Surface Mount,PCB", Packaging="Tape and Reel", Radiation Hardening=No, REACH SVHC="No SVHC", Termination=SMD/SMT, Thickness=0.034inch, Voltage Rating (DC)=50V, Width=0.031inch
C17 C18 C19 C20 C21: library part CMP-00046-3, "CAP CER 10UF 10V X5R 0805", Capacitance=10uF, Case Code (Imperial)=0805, Case Code (Metric)=2012, Dielectric=X5R, Dielectric Material=Ceramic, JLC_PN=C15850, Max Operating Temperature=85°C, Min Operating Temperature=-55°C, Package Quantity=1, Tolerance=10%, Voltage=10V, Case/Package=0805, Contact Plating=Tin,Matte, Depth=1.25mm, Dissipation Factor=10%, Height=1.25mm, Length=2mm, Mount="Surface Mount", Number of Pins=2, Packaging="Tape and Reel", Radiation Hardening=No, REACH SVHC="No SVHC", Termination=SMD/SMT, Thickness=0.055inch, Voltage Rating=10V, Voltage Rating (DC)=10V, Width=1.2mm
C22: "Cap Ceramic 1uF 10V X5R 10% SMD 0603 85°C Paper T/R", Capacitance=1uF, Case Code (Imperial)=0603, Case Code (Metric)=1608, Dielectric=X5R, Dielectric Material=Ceramic, Max Operating Temperature=85°C, Min Operating Temperature=-55°C, Package Quantity=1, Tolerance=10%, Voltage=10V, Case/Package=0603, Depth=0.8mm, Height=0.8mm, Lead Free="Lead Free", Length=1.6mm, Mount="Surface Mount", Number of Pins=2, Packaging="Tape and Reel", Radiation Hardening=No, REACH SVHC="No SVHC", Termination=SMD/SMT, Thickness=0.035inch, Voltage Rating=10V, Voltage Rating (DC)=10V, Weight=7.1E-05oz, Width=0.031inch
C23: library part CMP-00047-2, "Cap Ceramic 0.01uF 50V X7R 5% SMD 0603 125C Paper T/R", Capacitance=10nF, Case/Package=0603, Dielectric=X7R, JLC_PN=C57112, Max Operating Temperature=125°C, Min Operating Temperature=-55°C, Tolerance=5%, Depth=0.8mm, Height=0.8mm, Length=1.6mm, Mount="Surface Mount", Packaging="Tape and Reel", Radiation Hardening=No
D1 D2 D3: library part CMP-22017-000005-2, "LED GREEN CLEAR CHIP SMD", Case Code (Imperial)=0603, Case Code (Metric)=1608, Color=Green, Forward Current=30mA, Forward Voltage=2.1V, Lens Color=Colorless, Max Operating Temperature=85°C, Min Operating Temperature=-55°C, Package Quantity=1, Power Dissipation=100mW, Reverse Voltage=5V, Test Current=10mA, Voltage=2V, Case/Package=0603, Depth=0.8mm, Dominant Wavelength=569nm, Height=0.8mm, Illumination Color=Green, Lead Free="Lead Free", Length=1.6mm, Lens Style=Clear, Lens Transparency=Clear, Luminous Intensity=6mcd, Mount="Surface Mount", Number of Elements=1, Number of LEDs=1, Number of Pins=2, Packaging="Tape and Reel", Power Rating=100mW, Radiation Hardening=No, Viewing Angle=130°, Wavelength=565nm, Width=0.8mm
D4: "LED Multicolor Red/True Green/Blue 626nm/528nm/465nm 40mA/50mA/50mA 6-Pin SMD T/R"
D5: "ESD Suppressors / TVS Diodes ESD Protection Low Cap"
IC1: "EMI Filter Flat Style SMD T/R", Capacitance=20pF, Case/Package=DFN, Clamping Voltage=9V, DC Resistance (DCR)=40R, Max Operating Temperature=85°C, Min Operating Temperature=-40°C, Operating Supply Voltage=5V, Package Quantity=1, Contact Plating=Tin,Matte, Depth=1.45mm, Direction=Bidirectional, ESD Protection=Yes, Halogen Free="Halogen Free", Height=0.022inch, Lead Free="Lead Free", Length=3.4mm, Number of Channels=6, Number of Lines=8, Number of Pins=16, Packaging="Tape and Reel", REACH SVHC="No SVHC", Termination=Flat, Width=1.35mm
IC2: "Integrated Circuit", Manufacturer_Name="Texas Instruments", Mouser Part Number=595-BQ29732DSER, Arrow Part Number=BQ29732DSER, Arrow Price/Stock=https://www.arrow.com/en/products/bq29732dser/texas-instruments?region=nac, Datasheet Link=http://www.ti.com/lit/gpn/bq2973, Height=0.8mm, Manufacturer_Part_Number=BQ29732DSER, Mouser Price/Stock=https://www.mouser.co.uk/ProductDetail/Texas-Instruments/BQ29732DSER?qs=HjC056NR38EUdABiMgTGbg%3D%3D
IC3: "Integrated Circuit", Manufacturer_Name=STMicroelectronics, Mouser Part Number=511-STM32L552VET6, Arrow Part Number=STM32L552VET6, Arrow Price/Stock=https://www.arrow.com/en/products/stm32l552vet6/stmicroelectronics?region=nac, Datasheet Link=https://www.st.com/resource/en/datasheet/stm32l552cc.pdf, Height=1.6mm, Manufacturer_Part_Number=STM32L552VET6, Mouser Price/Stock=https://www.mouser.co.uk/ProductDetail/STMicroelectronics/STM32L552VET6?qs=%252B6g0mu59x7JvngnoIPuHpg%3D%3D
J1: "Connector", Manufacturer_Name="TE Connectivity", Mouser Part Number=571-1-1734839-8, Arrow Part Number=1-1734839-8, Arrow Price/Stock=https://www.arrow.com/en/products/1-1734839-8/te-connectivity, Datasheet Link=https://www.te.com/commerce/DocumentDelivery/DDEController?Action=showdoc&DocId=Customer+Drawing%7F1734839%7FC%7Fpdf%7FEnglish%7FENG_CD_1734839_C_C_1734839.pdf%7F1-1734839-8, Height=2.05mm, Manufacturer_Part_Number=1-1734839-8, Mouser Price/Stock=https://www.mouser.co.uk/ProductDetail/TE-Connectivity/1-1734839-8?qs=sXy4Dx%2FMQpOw5EO3e3m3KA%3D%3D
J2: "Connector", Manufacturer_Name="JST (JAPAN SOLDERLESS TERMINALS)", Manufacturer_Part_Number="S2B-PH-K-S (LF)(SN)", Datasheet Link=http://www.jst-mfg.com/product/pdf/eng/ePH.pdf, Height=4.8mm
J3: "Connector", Manufacturer_Name=Molex, Mouser Part Number=538-215760-2005, Datasheet Link=https://www.molex.com/pdm_docs/sd/2157601002_sd.pdf, Height=5.87mm, Manufacturer_Part_Number=215760-2005, Mouser Price/Stock=https://www.mouser.co.uk/ProductDetail/Molex/215760-2005?qs=pBJMDPsKWf1lOu66Lw3MIg%3D%3D
J4 J6: "KK 254 Breakaway Header, Vertical, 2 Circuits, Tin (Sn) Plating, Mating Pin Length 6.09mm 2 POS", Color=Black, Contact Resistance=20mR, Current Rating=4A, Flammability Rating="UL94 V-0", Max Operating Temperature=75°C, Max Voltage Rating (AC)=250V, Min Operating Temperature=0°C, Package Quantity=1, Connector Type="Male Pin", Contact Material=Brass,Bronze, Contact Mating Length=0.24inch, Contact Plating=Tin, Contact Type="Male Pin", Depth=2.49mm, Gender=Male, Glow Wire Compliant=Non-compliant, Housing Color=Black, Housing Material=Nylon, Lead Free="Lead Free", Max Voltage Rating (DC)=250V, Mount="Through Hole", Mounting Technology="Through Hole", Number of Circuits=2, Number Of Contacts=2, Number of Positions=2, Number of Rows=1, Orientation=Straight, Packaging=Bulk, Pitch=2.54mm, Radiation Hardening=No, REACH SVHC=Unknown, Series="KK® 42375", Termination=Solder, Voltage Rating=250V, Voltage Rating (DC)=250V
J5: "CONN HEADER SMD R/A 6POS 2.5MM", Color=Natural, Contact Resistance=20mR, Flammability Rating="UL94 V-0", Housing Color=Beige, Max Current Rating=3A, Max Operating Temperature=85°C, Max Voltage Rating (AC)=250V, Min Operating Temperature=-25°C, Package Quantity=1, Connector Type=Header, Contact Finish - Mating=TIN, Contact Material="Copper Alloy", Contact Plating=Copper, Contact Shape=Square, Contact Type="Male Pin", Depth=7mm, Fastening Type=Detent, Gender=Male, Housing Material=Polyamide, Insulation Color=Natural, Insulation Material=Nylon, Lead Free="Lead Free", Length=20mm, Mount="Surface Mount", Number Of Contacts=6, Number of Positions=6, Number of Rows=1, Orientation="Right Angle", Packaging="Tape and Reel", Pitch=2.5mm, REACH SVHC="No SVHC", Series=XH, Termination=Solder, Voltage Rating=250V
J7: "USB Type-C Receptacle for 1.60mm PCB", Manufacturer_Name=BelFuse, Manufacturer_Part_Number=SS-52400-005, Mouser Part Number=530-SS-52400-005, Datasheet Link=https://www.belfuse.com/resources/drawings/stewartconnector/dr-STW-SS-52400-005.pdf, Mouser Price/Stock=https://www.mouser.co.uk/ProductDetail/Stewart-Connector-Bel/SS-52400-005?qs=Wj%2FVkw3K%252BMC%2FVoWwkQ%252BKYA%3D%3D
L1: library part CMP-06042-000171-1, "FIXED IND 1UH 2.5A 82 MOHM SMD", Case Code (Imperial)=0806, Case Code (Metric)=2016, Current Rating=2.5A, DC Resistance (DCR)=82mR, Inductance=1uH, Max DC Current=2.3A, Max Operating Temperature=85°C, Min Operating Temperature=-40°C, Resistor Type=Wirewound, Test Frequency=1MHz, Tolerance=20%, Case/Package=0806, Core Material=Ferrite, Depth=1.6mm, Height - Seated (Max)=0.047inch, Length=0.079inch, Mount="Surface Mount", Packaging="Tape and Reel", Shielding=Shielded, Width=0.063inch
Q1 Q2: "MOSFET (N-Channel)", Manufacturer_Name="Texas Instruments", Mouser Part Number=595-CSD16406Q3, Arrow Part Number=CSD16406Q3, Arrow Price/Stock=https://www.arrow.com/en/products/csd16406q3/texas-instruments?region=nac, Datasheet Link=http://www.ti.com/lit/gpn/csd16406q3, Manufacturer_Part_Number=CSD16406Q3, Mouser Price/Stock=https://www.mouser.co.uk/ProductDetail/Texas-Instruments/CSD16406Q3?qs=SuDOdTVxq4Wogv4PDdDFZA%3D%3D
R1: "RES SMD 10K OHM 0.5% 1/10W 0603"
R2: library part CMP-1011-00826-5, "RES Thick Film, 619kΩ, 1%, 0.063W, 100ppm/°C, 0402", Case Code (Imperial)=0402, Case Code (Metric)=1005, Max Operating Temperature=155°C, Max Power Dissipation=63mW, Min Operating Temperature=-55°C, Package Quantity=10, Resistance=619kR, Temperature Coefficient=100ppm/°C, Tolerance=1%, Voltage Rating=50V, Case/Package=0402, Composition="Thick Film", Contact Plating=Tin, Depth=0.5mm, Features="Automotive AEC-Q200", Height=0.35mm, Lead Free="Lead Free", Length=1mm, Military Standard=Not, Number of Terminations=2, Packaging="Tape and Reel", Power Rating=63mW, Radiation Hardening=No, Termination=Solder, Voltage Rating (DC)=50V, Weight=2.3E-05oz, Width=0.02inch
R3 R4: library part CMP-02407-013080-1, "RES 1M OHM 1% 1/16W 0402", Case/Package=0402, Max Operating Temperature=155°C, Max Power Dissipation=63mW, Min Operating Temperature=-55°C, Power Rating=62.5mW, Resistance=1MR, Resistor Type="Thick Film", Temperature Coefficient=100ppm/°C, Tolerance=1%, Contact Plating=Tin, Lead Free="Lead Free", Length=1mm, Mount="Surface Mount", Number of Terminations=2, Packaging="Tape and Reel", RoHS Compliant=Yes, Series=CRCW-C, Termination=Wraparound
R5: library part CMP-03412-004258-2, "RES 205kΩ ±1% 0.063W 0402", Case Code (Imperial)=0402, Case Code (Metric)=1005, Max Operating Temperature=155°C, Max Power Dissipation=63mW, Min Operating Temperature=-55°C, Power Rating=62.5mW, Ratings=AEC-Q200, Resistance=205kR, Resistor Type="Thick Film", Temperature Coefficient=100ppm/°C, Tolerance=1%, Voltage Rating=50V, Case/Package=0402, Features="Moisture Resistant", Height=0.015inch, Length=0.039inch, Number of Terminations=2, Packaging="Tape and Reel", RoHS Compliant=Yes, Series=AC, Termination=SMD/SMT, Weight=2.3E-05oz, Width=0.5mm